# Altium PCB module_base.PcbDoc (part 3 of 4)
Units mil, origin at the board's own origin, x right, y up, seen from the top; angles counter-clockwise.
Board outline 3464.57 x 2795.28 mil, 4 copper layers (Top Layer, L2_GND, L3_PWR, Bottom Layer), stack 61.811 mil thick; 147 components, 144 nets, 753 pads, 600 vias.
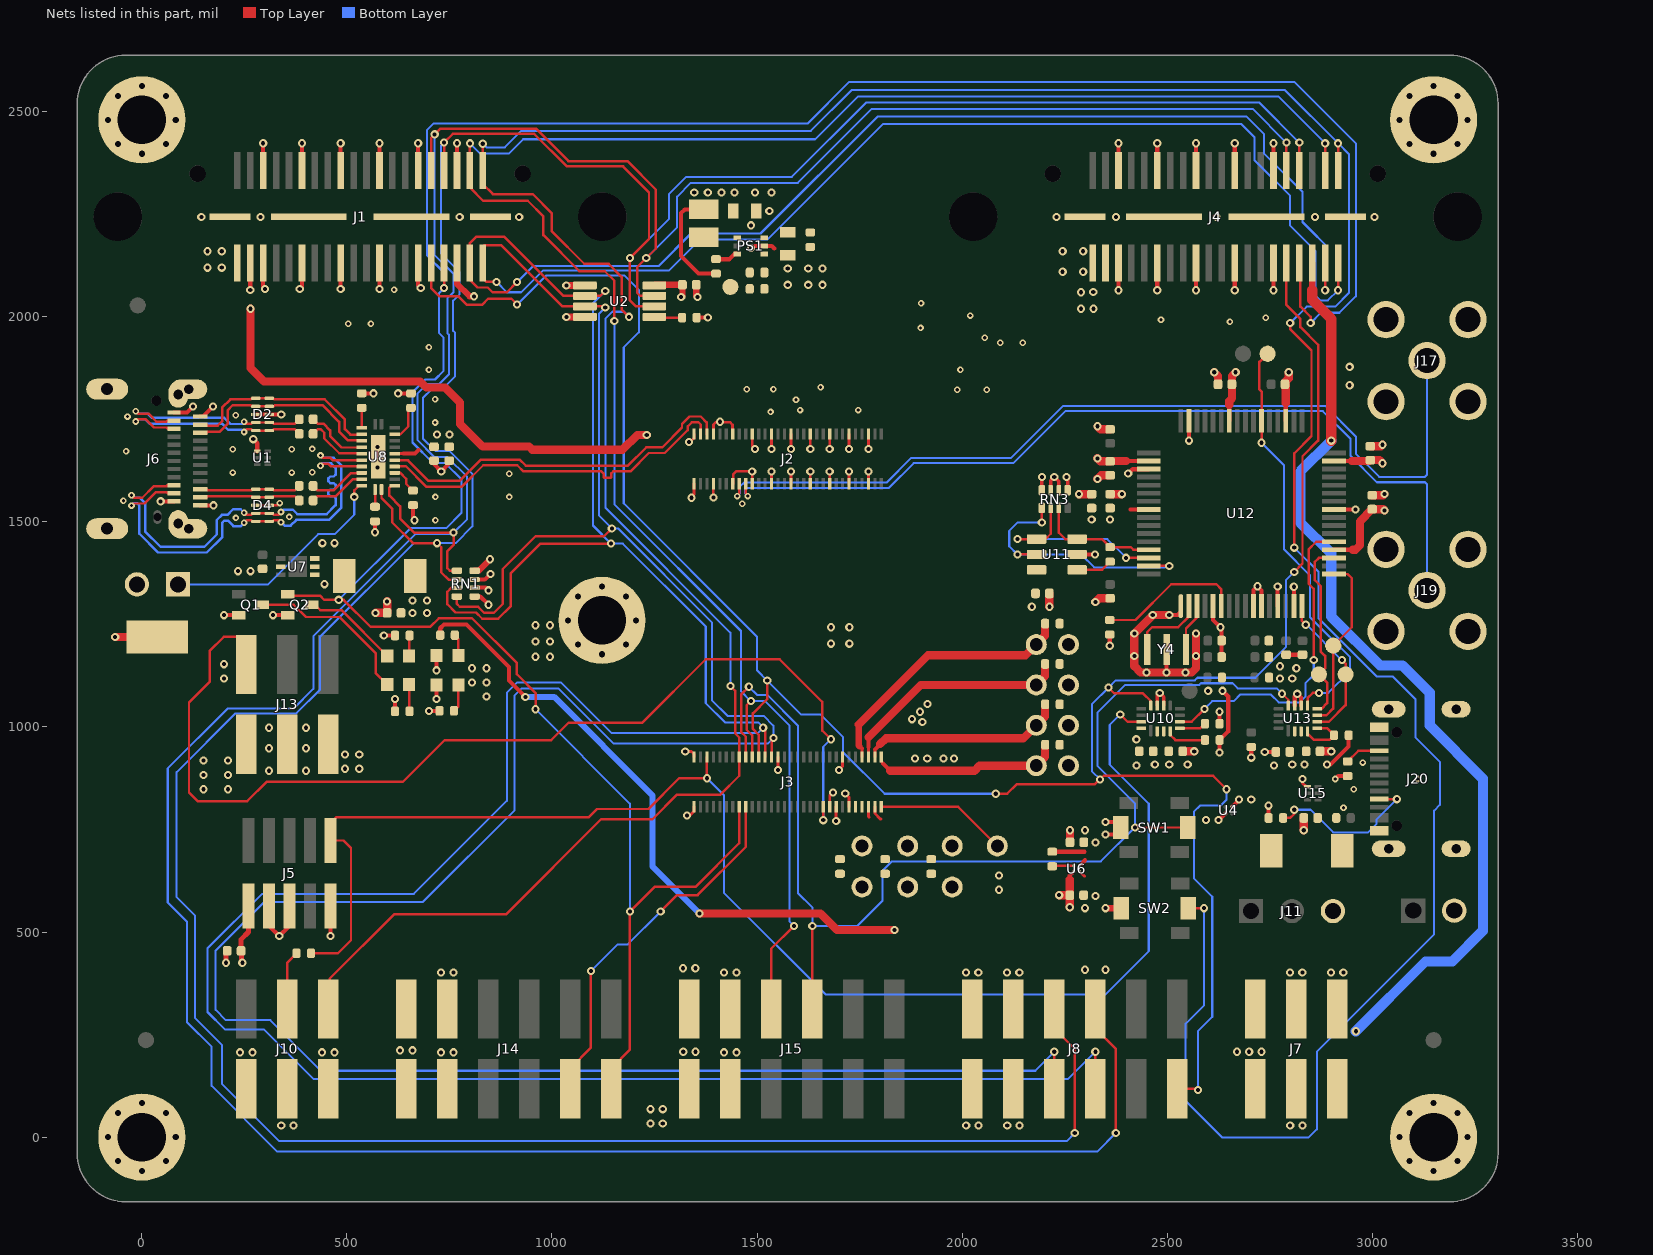
[diagram p5: the nets of this part, all layers, seen from the top]

## Via types
v1: diameter 20, hole 10, Top Layer to Bottom Layer, 431 vias
v2: diameter 16, hole 8, Top Layer to Bottom Layer, 129 vias
v3: diameter 30, hole 15, Top Layer to Bottom Layer, 40 vias

## Nets (pads, with @x,y where several pads share a name; then routed paths per layer and width w, separated by ;. In a path a pad name is that pad's centre, name@x,y a point inside that pad or via, vN(x,y) a via of type N, cw(c..) or ccw(c..) an arc to the next point about the centre after c; other vN are vias at no path point) (continued)
GND: BH1.1 BH2.1 BH3.1 BH4.1 BH5.1 C1.1 C2.1 C3.1 C4.1 C5.1 C6.1 C7.1 C9.1 C10.1 C11.1 C12.1 C13.1 C15.1 C17.1 C47.1 C48.1 C49.1 C50.1 C51.1 C52.1 C53.1 C54.1 C55.1 C56.1 C57.1 C64.1 C71.1 C83.1 C139.1 C143.1 C144.1 D1.2 D2.3 D2.8 D3.2 D4.3 D4.8 J1.05 J1.06 J1.11 J1.12 J1.17 J1.18 J1.23 J1.24 J1.29 J1.30 J1.36 J1.G1 J1.G2 J1.G3 J1.G4 J2.1 J2.2 J2.7 J2.8 J2.13 J2.14 J2.19 J2.20 J2.25 J2.26 J2.31 J2.32 J2.37 J2.38 J2.43 J2.44 J2.49 J2.50 J2.55 J2.56 J3.1 J3.2 J3.27 J3.44 J3.47 J3.50 J4.05 J4.06 J4.11 J4.12 J4.17 J4.18 J4.23 J4.24 J4.29 J4.30 J4.G1 J4.G2 J4.G3 J4.G4 J5.3 J5.5 J5.9 J6.A1 J6.A12 J6.B1 J6.B12 J6.Shell J8.9 J8.10 J10.2 J10.6 J12.2 J14.9 J14.10 J15.9 J15.10 J16.2 J17.2 J17.3 J17.4 J17.5 J19.2 J19.3 J19.4 J19.5 J20.1 J20.2 J20.3 J20.4 J20.A1-B12 J20.B1-A12 PS1.2 Q1.2 Q2.2 R11.1 R14.2 R20.1 R21.1 R25.2 R27.1 R87.1 SW1.2 SW2.2 TP1.1 U1.1 U2.4 U4.B1 U6.B2 U7.2 U7.6 U8.25 U10.10 U10.11 U10.16 U11.2 U12.1 U12.5 U12.10 U12.11 U12.13 U12.15 U12.25 U12.35 U12.47 U12.51 U13.10 U13.11 U15.1 Y4.2 | length 5689.1
  Top Layer w6: v1(1393.7,1559.3) J2.8@1393.7,1592.91
  Top Layer w6.3: v1(1334,1695) 1337.13,1695 1346.46,1704.33 J2.1@1346.46,1714.17 ; 1393.7,1737.3 1399.45,1743.05 1433.95,1743.05 1440.16,1736.84 1440.16,1714.96 J2.13@1440.94,1714.17 ; J2.14@1440.94,1592.91 1441.73,1593.7 1441.73,1615.73 1449.1,1623.1 v1(1488.19,1623.1)
  Top Layer w6.87: D4.8@277.85,1540.41 D4.3@310.73,1540.42 329.11,1540.41 334.54,1545.85 335.91,1545.85 v2(335.91,1545.95) ; v1(1325,940) 1340,940 1346.45,933.55 J3.1@1346.45,926.77 ; v1(1329,784.11) 1336,784.11 1346.45,794.55 J3.2@1346.45,805.51 ; v1(1340,1559) 1340,1561.14 1346,1567.14 1346,1592.46 J2.2@1346.46,1592.91 ; J2.7@1393.7,1714.17 1393.7,1737.3 ; J2.20@1488.19,1592.91 v1(1488.19,1623.1) ; J2.19@1488.19,1714.17 1488.19,1684.91 v1(1495,1678.1) ; J2.26@1535.43,1592.91 v1(1535.43,1623.1) ; v1(1535.43,1678.1) J2.25@1535.43,1714.17 ; v1(1551.18,894.83) J3.27@1551.18,926.77 ; J2.32@1582.68,1592.91 v1(1582.67,1623.1) ; v1(1582.67,1678.1) J2.31@1582.68,1714.17 ; J2.38@1629.92,1592.91 v1(1629.92,1623.1) ; v1(1629.92,1678.1) J2.37@1629.92,1714.17 ; J3.44@1677.17,805.51 1677.16,832.16 v1(1685,840) ; J2.44@1677.17,1592.91 v1(1677.16,1623.1) ; v1(1677.16,1678.1) J2.43@1677.17,1714.17 ; v1(1700,895) 1708.66,903.66 J3.47@1708.66,926.77 ; v1(1715,838.11) 1724.41,828.7 J3.50@1724.41,805.51 ; J2.50@1724.41,1592.91 v1(1724.41,1623.1) ; v1(1724.41,1678.1) J2.49@1724.41,1714.17 ; J2.56@1771.65,1592.91 v1(1771.65,1623.1) ; v1(1771.65,1678.1) J2.55@1771.65,1714.17
  Top Layer w7: 2267.26,642.76 U6.B2@2272.44,647.95
  Top Layer w7.66: v1(2830,873.11) 2830,863.11 2839.25,853.85 U15.1@2842.2,853.86
  Top Layer w8: U10.11@2476,1052.13 2476,1077 v1(2482,1083) 2491.75,1073.25 U10.10@2491.75,1052.13
  Top Layer w9: U4.B1@2658.1,804.83 2675,821.72 v1(2675,823.11)
  Top Layer w10: v1(45.87,1550.18) J6.B1@78.84,1550.18 ; J6.B12@78.84,1766.73 110.08,1766.73 v1(124.52,1781.16) ; J6.A12@141.83,1540.35 v1(174.8,1540.35) ; J6.A1@141.83,1756.89 149.38,1756.89 v1(173.66,1781.16) ; v1(200.59,1272.52) Q1.2@236.06,1272.52 ; v1(271.6,1701.71) 281.5,1691.81 U1.1@281.5,1672.25 ; D2.3@277.85,1762.02 D2.8@310.73,1762.03 v1(339.8,1762.02) ; J1.05@295.86,2131.3 295.87,2072.23 v1(300,2068.1) ; J1.06@295.86,2356.89 v1(295.87,2423.35) ; J5.3@310,563.11 310,515 v1(335,490) 360,515 J5.5@360,563.11 ; v1(320,1272.52) Q2.2@356.06,1272.52 ; v1(385,2068.1) 390.36,2073.47 J1.11@390.36,2131.29 ; J1.12@390.35,2356.89 v1@390.35,2423.33 ; v1(460,490) J5.9@460,563.11 ; v1(484.85,2068.1) J1.17@484.84,2131.3 ; J1.18@484.84,2356.89 v1(484.84,2423.35) ; R14.2@536.27,1813.48 v1(565,1813.48) ; v1(579.33,2068.1) J1.23@579.33,2131.3 ; J1.24@579.33,2356.89 v1(579.33,2423.35) ; R11.1@661.16,1540.72 661.16,1507.95 v1(665,1504.1) ; J1.29@673.82,2131.3 673.82,2076.18 v1(680,2070) ; J1.30@673.82,2356.89 v1(673.82,2423.35) ; C17.1@712.39,1649.28 712.39,1640.72 v1(730,1623.1) 749.39,1642.5 C7.1@749.39,1649.28 ; v1(718.71,1068.11) D1.2@718.71,1102.73 ; v1(718.71,1138.11) D3.2@718.71,1173.89 ; J1.36@768.3,2356.89 v1(768.31,2423.35) ; v1(1485,2168.1) 1494.99,2173.1 PS1.2@1517.99,2173.11 1535.99,2173.1 1541.99,2167.1 ; 2262.4,628.11 2262.4,637.91 2267.26,642.76 ; U11.2@2280.34,1420.63 v1(2324.01,1420.62) ; v1(2350,738.11) 2370.45,738.11 SW1.2@2387.18,754.84 2373.91,768.11 v1(2350,768.11) ; v1(2360,1198.11) R87.1@2360,1225.41 ; v1(2381.3,2064.83) J4.05@2381.3,2131.3 ; J4.06@2381.3,2356.89 v1(2381.31,2423.35) ; v1(2475.79,2064.83) J4.11@2475.79,2131.3 ; J4.12@2475.79,2356.89 v1(2475.8,2423.35) ; v1(2498.73,1133.11) Y4.2@2498.73,1189.04 ; v1(2505,1273.1) 2525,1273.1 2533.29,1281.39 U12.1@2533.29,1294.73 ; v1(2552.97,1698.1) U12.47@2552.98,1746.54 ; v1(2570.28,2064.83) J4.17@2570.28,2131.3 ; J4.18@2570.28,2356.89 v1(2570.28,2423.35) ; U12.5@2612.03,1294.73 2612.03,1261.08 v1@2629.94,1243.17 ; R25.2@2627.72,1008.11 v1(2627.71,1037.11) ; C53.1@2632.85,1170.63 2632.85,1240.25 v1(2630,1243.1) ; v1(2664.77,2064.83) J4.23@2664.77,2131.3 ; J4.24@2664.77,2356.89 v1(2664.77,2423.35) ; U12.10@2710.45,1294.72 2710.45,1333.56 v1(2720,1343.1) 2730.14,1332.97 U12.11@2730.14,1294.73 ; v1(2738,939.11) C10.1@2765.07,939.11 ; R20.1@2747.29,778.11 v1(2747.29,808.11) ; v1@2759.26,2064.85 J4.29@2759.26,2131.3 ; J4.30@2759.26,2356.89 v1(2759.26,2423.35) ; U12.13@2769.51,1294.73 v1(2769.51,1342.62) ; U12.35@2789.2,1746.54 2789.19,1789.83 ; C83.1@2790,1176.18 C64.1@2830,1176.18 ; U12.15@2808.88,1294.73 v1(2808.88,1341.98) ; U13.11@2811,1052.13 2811,1074.53 v1(2817.3,1080.83) 2826.75,1071.39 U13.10@2826.75,1052.13 ; U12.25@2906.83,1530.48 v1(2959.17,1530.47) ; v2(2910,873.11) 2917.29,880.4 R21.1@2940,880.4 ; v1@2629.94,1243.17 v1(2630,1243.1) ; v1@2629.94,1243.17 v1(2630,1243.1)
  Top Layer w10.81: v1(2405,1618.1) 2415.79,1628.89 U12.51@2455.02,1628.9
  Top Layer w12: v1(205,425) 205,450.93 C4.1@208.07,454
  Top Layer w15: C1.1@1351.93,2078.11 1351.93,2051.18 v1(1355,2048.1) ; v1(2350,558.11) SW2.2@2388.32,558.11
  Top Layer w17.9: v1(1035,1999.72) U2.4@1080.35,1999.72
  Top Layer w20: v1(-65,1219.08) TP1.1@38.09,1219.08 ; v1(2236.73,589.83) C6.1@2262.4,589.84 ; v1(2262.4,560.5) C6.1@2262.4,589.84 ; 2262.4,628.11 C6.1@2262.4,589.84 ; v1(2505,1273.1) v1(2465,1273.1) v1(2420,1228.1) v1(2420,1173.11) 2420,1148.11 2435,1133.11 v1(2450,1133.11) v1(2498.73,1133.11) v1(2545,1133.11) 2560,1133.11 2570,1143.11 v1(2570,1173.11) v1(2570,1228.1) ; C11.1@2537.74,940.63 v1(2566,940.63) ; v1(2614.8,1864.83) 2623.99,1855.64 C49.1@2623.99,1835.63 ; 2789.19,1789.83 2789.19,1833.66 C139.1@2787.23,1835.63 2787.23,1840.62 2796.42,1849.81 v1(2796.42,1864.83) ; C9.1@2872.74,940.63 v1(2900,940.63) ; C48.1@2995.41,1684.5 3021.39,1684.5 v1(3025,1688.1)
  Top Layer w20.26: v1(570,1278.1) C15.1@598.07,1278.11 v1(598.06,1306.17) ; v1(2212.85,1293.1) C57.1@2212.85,1325.63 ; C5.1@2263.05,718.89 v1(2263.05,748.11) ; v1(2285,1567.56) C52.1@2315.92,1567.56 ; v1(2324.8,1304.83) 2333.66,1313.7 C144.1@2360.92,1313.7 ; v1(2329.8,1604.83) 2338.66,1613.7 C56.1@2360.92,1613.7 ; v1(2330,1733.1) 2337.48,1725.62 C143.1@2360.92,1725.63 ; C50.1@2360.92,1567.56 v1(2389.45,1567.56) ; v1(2833.06,748.11) C71.1@2833.07,778.11 ; C47.1@2999.99,1565.04 3026.93,1565.04 v1(3030,1568.1)
  other v1: 2110,28.1 2140,28.1 239.6,206.61 269.6,206.61 439.6,206.61 469.6,206.61 729.6,206.61 759.6,206.61 1419.6,206.61 1449.6,206.61 729.6,401.56 759.6,401.56 1419.6,401.56 1449.6,401.56 2109.6,401.56 2139.6,401.56 2705,823.11 2424.8,969.83 2775,1148.11 234.8,1379.83 264.8,1379.83 440,1448.1 470,1448.1 575,1633.1 575,1683.1 1409.45,1744.1 2759.25,2064.83 1574.99,2078.1 1574.99,2118.1 1485,2223.1 145,2243.1 289,2243.1 775,2243.1 920,2243.1 2230.44,2243.1 2375.44,2243.1 2620.44,2243.1 2860.44,2243.1 3005.44,2243.1 1529.99,2258.1 1494.99,2303.1 1534.99,2303.1 390.36,2423.35
  other v2: 2930,803.11 2955,848.11 3111,873.11 2977,913.11 715.89,1504.27 229.48,1509.62 359.1,1512.16 1464.13,1543.97 -44.96,1551.89 715.89,1560.89 895.73,1560.89 895.73,1617.5 221.63,1620.31 365.7,1620.31 415.58,1621.2 -38.52,1672.58 221.63,1676.93 365.7,1676.93 415.58,1677.83 715,1742.29 -34.96,1756.89 229.24,1760 1533,1768.1 1605,1772.6 1746.73,1772.6 1595,1798.1 715,1798.91 1988,1822 2060,1822 1475,1823.1 1540,1823.1 1655,1828.1 700,1871.1 1996,1871 700,1926.1 2093,1937.1 2148,1937.1 2055.38,1949.1 1898.8,1973.01 503.58,1983.1 558.58,1983.1 2653,1988.1 2485,1993.1 2740.5,1998.1 2020,2003.1 1900,2033.1 615,2066.1
  other v3: 0,-82.68 3149.61,-82.68 -58.46,-58.46 58.46,-58.46 3091.14,-58.46 3208.07,-58.46 -82.68,0 82.68,0 3066.93,0 3232.28,0 -58.46,58.46 58.46,58.46 3091.14,58.46 3208.07,58.46 0,82.68 3149.61,82.68 1122.04,1177.17 1063.58,1201.38 1180.5,1201.38 1039.36,1259.84 1204.72,1259.84 1063.58,1318.31 1180.5,1318.31 1122.04,1342.52 0,2397.64 3149.61,2397.64 -58.46,2421.85 58.46,2421.85 3091.14,2421.85 3208.07,2421.85 -82.68,2480.31 82.68,2480.31 3066.93,2480.31 3232.28,2480.31 -58.46,2538.78 58.46,2538.78 3091.14,2538.78 3208.07,2538.78 0,2562.99 3149.61,2562.99
GPIO1V8_A3: J1.33 J3.16 J4.33 J14.2 Q2.1 | length 6804.5
  Top Layer w6: Q2.1@356.06,1323.7 359.65,1320.1 434.59,1320.1 444.71,1310 v1(480,1310) 492,1310 558,1244 703,1244 724.1,1265.1 804.9,1265.1 914.4,1155.61 914.4,1128.44 960,1082.84 v1(960,1043.11) ; v1(736.8,2070) J1.33@736.81,2131.3 ; J14.2@1144.8,117.36 1144.8,167.91 1190,213.11 v1(1190,550) 1250,610 1349.99,610 1456.69,716.69 J3.16@1456.69,805.51 ; J4.33@2822.25,2131.3 2825,2128.54 2825,2025 2850,2000 v1(2850,1985)
  Bottom Layer w5: v1(480,1310) 655,1485 741.89,1485 779.5,1522.61 779.5,1603.61 740,1643.11 710.49,1643.11 660,1693.6 660,1816.2 691.1,1847.3 714.9,1847.3 735.1,1867.5 735.1,1950 724.85,1960.25 724.85,2058.06 v1(736.8,2070) 736.8,2108.2 695,2150 695,2455 711,2471 1623,2471 1725,2573 2810,2573 2960,2423 2960,2050 2920,2010 2875,2010 v1(2850,1985) ; v1(960,1043.11) 1190,813.11 v1(1190,550)
GPIO1V8_H8: J3.42 J13.2 | length 2602.6
  Top Layer w6: J13.2@254.8,1152.32 254.8,1200.2 235,1220 200,1220 165,1185 165,1110 115,1060 115,840 136,819 257,819 303.89,865.89 636.21,865.89 737.92,967.6 998,967.6 1040.9,1010.5 1220.5,1010.5 1375,1165 1555,1165 1659,1061 1659,991 v1(1680,970) ; v1(1661.41,772.77) J3.42@1661.42,805.51
  Bottom Layer w5: v1(1661.41,772.77) 1661.41,951.41 v1(1680,970)
GPIO_A1_INITN: J1.40 J3.15 J4.40 J10.1 SW2.1 | length 9268.6
  Top Layer w6: J10.1@454.8,312.32 457.89,315.42 457.89,386.01 615,543.11 888.11,543.11 1120,775 1245,775 1305,835 1410.57,835 1456.69,881.12 J3.15@1456.69,926.77 1456.69,974.31 1447,984 1447,1088 v1(1435,1100) ; v1(831.3,2422.1) J1.40@831.3,2356.89 831.29,2323.71 855.9,2299.1 953,2299.1 1000,2252.1 1000,2208.1 1078.7,2129.41 1137.88,2129.41 1170,2097.29 1170,2018.1 v1(1188.1,2000) ; SW2.1@2551.7,558.11 v1(2590,558.11) ; v1(2800,1985) 2800,1970 2852,1918 2852,1709.1 2810,1667.1 v1(2810,1437.1) ; J4.40@2916.74,2356.89 v1(2916.74,2423.1)
  Bottom Layer w5: v1(831.3,2422.1) 840.3,2413.11 885,2413.11 925.44,2453.56 1631.44,2453.56 1731.07,2553.18 2786.67,2553.18 v1(2916.74,2423.1) 2943.42,2396.43 2943.42,2058.42 2910,2025 2840,2025 v1(2800,1985) ; v1(1188.1,2000) 1175.7,2012.4 1147.4,2012.4 1130,1995 1130,1535 1435,1230 v1(1435,1100) ; v1(2590,558.11) 2590,321.31 2545,276.31 2545,87.91 2633.8,-0.89 2845,-0.89 2864,18.11 2864.99,18.11 ; v1(2810,1437.1) 2869,1378.11 2869,1265.11 3010.99,1123.11 3049.99,1123.11 3105,1068.11 3105,975 3165,915 3165,810 3151,796 3151,494.11 2865,208.11 2865,18.12
GPIO_B1: J3.17 J15.5 SW1.1 U13.12 | length 2951.5
  Top Layer w6: J3.17@1472.44,926.77 1472.44,976.56 1461,988 1461,1079.11 v1(1480,1098.11) ; J15.5@1634.8,312.32 v1(1634.8,515) ; v1@2421,754.83 v1(2422,754.83) SW1.1@2550.57,754.84 ; v1(2780.39,1081.06) 2795.25,1066.21 U13.12@2795.25,1052.13
  Bottom Layer w5: v1(1480,1098.11) 1500,1078.11 1525,1078.11 1600,1003.11 1600,595 1634.8,560.2 v1(1634.8,515) 1745,515 1806,576 1806,649.11 1829,672.11 2338.27,672.11 2421,754.84 v1(2422,754.83) 2422,813.15 2330,905.15 2330,1035 2397,1102 2577.66,1102 2582.27,1106.61 2659.5,1106.61 2672,1094.11 2767.35,1094.11 v1(2780.39,1081.06)
GPIO_F1: J1.38 J3.19 J4.38 J15.7 | length 4994.8
  Top Layer w6: v1(799.8,2423.1) J1.38@799.8,2356.89 799.8,2315.21 831.89,2283.1 941,2283.1 979,2245.1 979,2199.1 1067,2111.1 1128.76,2111.1 1152,2087.86 v1(1152,1990) ; v1(1485,1063.11) 1475,1053.11 1475,993 1488.19,979.81 J3.19@1488.19,926.77 ; J15.7@1534.8,312.32 1534.8,459.8 v1(1590,515) ; J4.38@2885.24,2356.89 v1(2885.24,2423.1)
  Bottom Layer w5: v1(799.8,2423.1) 824.8,2398.11 895,2398.11 929.88,2433 1641.88,2433 1746.55,2537.65 2770.7,2537.65 v1(2885.24,2423.1) ; v1(1152,1990) 1152,1543 1461,1234 1461,1087.11 v1(1485,1063.11) 1520,1063.11 1579.04,1004.07 1579.04,525.96 v1(1590,515)
GPIO_G1: J1.31 J3.21 J4.31 J8.2 U10.12 | length 5978.4
  Top Layer w6: J1.31@705.31,2131.3 705.31,2070.69 726.17,2049.83 772.17,2049.83 793,2029 829.31,2029 844.31,2044 901,2044 v1(915,2030) ; J3.21@1503.94,926.77 1503.93,981.07 1490,995 1490,1033.11 1525,1068.11 v1(1525,1113.11) ; v1(2082,837.11) 2109.74,837.11 2132.74,860.11 2322.79,860.11 2334.8,872.11 v1(2336.4,872.11) 2345.39,881.11 2612,881.11 v1(2645,848.11) ; v1(2357,1096) 2371,1082 2441,1082 2460.25,1062.75 U10.12@2460.25,1052.13 ; J8.2@2524.8,117.36 2572.64,117.36 v1(2575,115) ; J4.31@2790.75,2131.3 2790.75,2029.25 2825,1995 2825,1975 2868,1932 2868,1698.1 2830,1660.1 2830,1398.1 v1(2810,1378.1)
  Bottom Layer w5: v1(915,2030) 985.39,2100.39 1177.33,2100.39 1211.75,2065.97 1211.75,1962.19 1175,1925.44 1175,1545.11 1500,1220.12 1500,1138.11 v1(1525,1113.11) 1608.11,1030 1655,1030 1710,975 1710,940 1709.06,939.06 1811,837.11 v1(2082,837.11) ; v1(2336.4,872.11) 2317.29,891.22 2317.29,1056.29 v1(2357,1096) 2374.67,1113.67 2567.71,1113.67 2574.04,1120 2715,1120 2789.65,1194.65 2789.65,1357.75 v1(2810,1378.1) ; v1(2575,115) 2575,258.31 2610,293.31 2610,585.96 2565,630.96 2565,793.11 2580,808.11 2630,808.11 2645,823.11 v1(2645,848.11)
JTAG_EN: J3.5 J5.10 R28.1 U10.15 | length 3614.3
  Top Layer w6: R28.1@412.72,448.11 478.11,448.11 510,480 510,705 491.89,723.11 J5.10@460,723.11 460,765 475,780 1090,780 1110,800 1235,800 1310,875 v1(1377.95,875) J3.5@1377.95,926.77 ; v1(2385.55,1030.56) 2403.35,1012.75 U10.15@2436.63,1012.76
  Bottom Layer w5: v1(1377.95,875) 1420,832.95 1420,595 1666.89,348.11 2350,348.11 2455.1,453.21 2455.1,812.96 2360,908.06 2360,1005 v1(2385.55,1030.56)
JTAG_EN_3V3: U10.6 U12.21 | length 789.3
  Top Layer w6: U10.6@2531.12,1012.76 2559.65,1012.75 v1(2591,1044.11) ; v1(2857.5,1163.11) 2857.5,1336.6 2845,1349.1 2845,1433.1 2863.62,1451.73 U12.21@2906.83,1451.73
  Bottom Layer w5: v1(2591,1044.11) 2610,1063.11 2662,1063.11 2678,1079.11 2753,1079.11 2772,1060.11 2823,1060.11 2837,1074.11 2837,1106.11 2857.5,1126.61 v1(2857.5,1163.11)
NetC2_2: C2.2 PS1.3 R23.1
NetC71_2: C71.2 D7.A FB4.2
NetD1_1: D1.1 R1.2 | length 68
  Top Layer w6: R1.2@761.03,1039.22 771.86,1050.04 D1.1@771.86,1102.73
NetD3_1: D3.1 R3.2 | length 53.7
  Top Layer w6: R3.2@762.99,1223.89 771.86,1215.02 D3.1@771.86,1173.89
NetD5_1: D5.1 R18.2 | length 65.5
  Top Layer w6: D5.1@651.57,1103.11 651.57,1039.25 R18.2@652.72,1038.11
NetD5_2: D5.2 Q1.3 | length 413.7
  Top Layer w6: Q1.3@293.93,1298.11 370,1298.1 400,1268.1 481.9,1268.1 570,1180.01 570,1131.53 D5.2@598.43,1103.11
NetD6_1: D6.1 R2.2 | length 50.5
  Top Layer w6: D6.1@651.58,1173.11 651.58,1221.97 R2.2@652.72,1223.11
NetD6_2: D6.2 Q2.3 | length 236.3
  Top Layer w6: Q2.3@413.93,1298.11 421.89,1298.11 435,1285 486.53,1285 D6.2@598.43,1173.11
NetJ3_52: J3.52 J3.54 R5.2 T7.1
NetJ3_53: J3.53 R4.1 T6.1 | length 656.1
  Top Layer w6.87: J3.53@1755.91,926.77 1755.9,947.21
  Top Layer w10: 1750,953.11 1755.9,947.21
  Top Layer w15: 1748.02,1005.89 1748.02,955.08 1750,953.11
  Top Layer w20: 1748.02,1005.89 1916.97,1174.83 2154.83,1174.83 T6.1@2180.85,1200.86 2202.5,1222.5 R4.1@2202.5,1252.04
NetJ3_55: J3.55 R6.1 T10.1 | length 570.3
  Top Layer w6.87: J3.55@1771.65,926.77 1771.65,951.46
  Top Layer w10: 1771.65,951.46 1771.65,974.92
  Top Layer w20: 1771.65,974.92 1899.18,1102.45 T10.1@2180.85,1102.45 2202.5,1124.1 R6.1@2202.5,1153.63
NetJ3_56: J3.56 R7.2 T11.1 | length 26.4
  Top Layer w6.87: J3.56@1771.65,805.51 1771.65,781.46 1773.33,779.77
NetJ3_57: J3.57 R8.1 T14.1 | length 496.6
  Top Layer w6.87: J3.57@1787.4,926.77 1787.4,945.5
  Top Layer w9.84: 1787.4,945.5 1800,958.11
  Top Layer w20: 1800,958.11 1814.16,972.26 2149.1,972.26 T14.1@2180.85,1004.02 2202.5,1025.67 R8.1@2202.5,1055.21
NetJ3_58: J3.58 R9.2 T15.1 | length 37
  Top Layer w6.87: J3.58@1787.4,805.51 1787.4,788.75 1800.33,775.83 1802.27,775.83
NetJ3_59: J3.59 R10.1 T18.1 | length 463.9
  Top Layer w6.87: J3.59@1803.15,926.77 1803.15,914.96 1807.5,910.61
  Top Layer w10: 1807.5,910.61 1825,893.11
  Top Layer w20: 1825,893.11 2030,893.11 2042.49,905.6 T18.1@2180.85,905.6 2202.5,927.24 R10.1@2202.5,956.78
NetJ3_60: J3.60 PVDD_4.1 | length 322.3
  Top Layer w6: J3.60@1803.15,805.51 1990.16,805.5 PVDD_4.1@2085.83,709.84
NetJ10_3: J10.3 R28.2 | length 145.1
  Top Layer w6: J10.3@354.8,312.32 354.8,425.63 R28.2@377.28,448.11
NetJ12_1: J12.1 U8.22 | length 582.2
  Top Layer w6: v1(517.85,1561.1) 517.85,1576.83 528.81,1587.79 U8.22@536.27,1587.8
  Bottom Layer w5: J12.1@88.09,1347.73 307.73,1347.73 430,1470 470,1470 517.85,1517.85 v1(517.85,1561.1)
NetJ20_A5: J20.A5 R20.2 | length 396.5
  Top Layer w6: R20.2@2782.72,778.11 2800,778.11 2810,788.11 v1(2810,798.11) ; J20.A5@3017.53,823.9 v1(3060,823.9)
  Bottom Layer w5: v1(2810,798.11) 2850,798.11 2905,743.11 2990,743.11 3010,763.11 3010,773.9 v1(3060,823.9)
NetJ20_B5: J20.B5 R21.2 | length 88.4
  Top Layer w6: R21.2@2940,915.83 2966.18,942 J20.B5@3017.53,942.01
NetL1_1: L1.1 PS1.4
NetPS1_1: PS1.1 R26.1 R27.2
NetPS1_6: PS1.6 R15.2 | length 57.3
  Top Layer w10.81: R15.2@1400,2140.82 1432.71,2140.81 1445.32,2153.43 PS1.6@1452.01,2153.43
NetR11_2: R11.2 U8.3 | length 69.7
  Top Layer w6: U8.3@616.58,1619.29 630.35,1619.29 644.8,1604.83 644.8,1592.5 R11.2@661.16,1576.15
NetR12_1: R12.1 U8.23 | length 42.3
  Top Layer w6: R12.1@568.55,1536.87 U8.23@568.55,1579.13
NetR13_2: R13.2 U8.9 | length 88.9
  Top Layer w6: U8.9@616.59,1713.78 630.67,1713.77 650,1733.1 650,1771.89 R13.2@656.16,1778.05
NetR14_1: R14.1 U8.13 | length 48.5
  Top Layer w6: U8.13@536.27,1729.53 R14.1@536.27,1778.06
NetR16_2: R16.2 U2.5 | length 68.3
  Top Layer w6: U2.5@1249.65,1999.72 1251.26,1998.1 R16.2@1317.28,1998.11
NetR17_2: R17.2 U6.B1 | length 53
  Top Layer w6: R17.2@2220,660.39 2221.34,661.72 U6.B1@2272.44,661.73
NetR19_1: R19.1 U13.4 U13.5 | length 128.6
  Top Layer w6: U13.4@2842.5,989.14 2842.5,983.61 2857,969.11 2896.35,969.11 R19.1@2907.08,979.84 2889.91,997 U13.5@2866.12,997.01
NetR24_1: R24.1 U10.4 | length 98.5
  Top Layer w6: U10.4@2507.5,989.14 2507.5,980.61 2520,968.1 R24.1@2592.28,968.11
NetR25_1: R25.1 U10.5 | length 65.8
  Top Layer w6: U10.5@2531.12,997.01 2581.19,997 R25.1@2592.28,1008.11
NetR49_1: R49.1 RN3.3 U11.3 U12.61 | length 296.7
  Top Layer w6: RN3.3@2235.77,1533.98 2235.76,1473.87 2251.61,1458.02 U11.3@2280.34,1458.03 2341.24,1458.02 R49.1@2360.92,1438.35 2411.29,1438.35 2417.59,1432.04 U12.61@2455.02,1432.05
NetR49_2: R49.2 U11.1 | length 88.7
  Top Layer w6: U11.1@2280.34,1383.23 2341.23,1383.23 R49.2@2360.92,1402.92
NetR87_2: R87.2 U12.6 | length 354.4
  Top Layer w6: R87.2@2360,1260.84 2422.73,1260.83 2510,1348.1 2620,1348.1 2631.71,1336.39 U12.6@2631.72,1294.73
NetRN3_1: RN3.1 U11.5 U12.63 | length 670
  Top Layer w6: v1(2135,1420.62) U11.5@2181.52,1420.63 ; v1(2194.42,1498.68) RN3.1@2194.43,1533.98 ; U12.63@2455.02,1392.68 v1(2505,1392.68)
  Bottom Layer w5: v1@2194.42,1498.69 2135.58,1498.69 2115,1478.11 2115,1440.63 v1(2135,1420.62) 2290.38,1420.62 2321.8,1389.2 2494.16,1389.2 2497.64,1392.68 v1(2505,1392.68)
NetRN3_2: RN3.2 U11.4 U12.62 | length 488.2
  Top Layer w6: v1(2135.08,1458.02) U11.4@2181.52,1458.03 2202.99,1458.02 2216.08,1471.12 RN3.2@2216.08,1533.98 ; v1(2399.8,1412.35) U12.62@2455.02,1412.36
  Bottom Layer w5: v1(2135.08,1458.02) 2354.13,1458.03 v1(2399.8,1412.35)
NetT1_1: T1.1 U12.16 U13.6 | length 372.5
  Top Layer w6: U12.16@2828.57,1294.73 2828.56,1258.54 v1(2838,1249.1) ; U13.6@2866.12,1012.76 2894.65,1012.75 2935,1053.11 T1.1@2935,1128.11 2935,1154.11 v1(2926,1163.11)
  Bottom Layer w5: v1(2838,1249.1) 2840,1249.11 v1(2926,1163.11)
NetT2_1: T2.1 U12.17 U13.7 | length 429.7
  Top Layer w6: U13.7@2866.12,1028.51 2888.46,1028.49 2904.8,1044.83 2904.8,1148.11 2905,1148.3 T2.1@2905,1198.11 2950,1243.1 2950,1363.1 2940.12,1372.98 U12.17@2906.83,1372.98
NetT4_1: T4.1 U12.19 U13.8 | length 449.7
  Top Layer w6: U13.8@2866.12,1044.25 2876.14,1044.24 2890,1058.1 2890,1108.11 T4.1@2870,1128.11 2885,1143.11 2885,1173.11 2875,1183.11 2875,1343.1 2860,1358.1 2860,1402.35 2870,1412.35 U12.19@2906.83,1412.36
NetT85_1: T85.1 U12.38 U13.9 | length 1022.8
  Top Layer w6: v1(2730.14,1693.1) U12.38@2730.14,1746.54 2730.14,1817.97 2725,1823.1 2725,1890 T85.1@2745,1910 ; U13.9@2842.5,1052.13 2842.5,1070.6 2855,1083.1 v1(2870,1083.11)
  Bottom Layer w5: v1(2730.14,1693.1) 2785,1638.25 2785,1433.11 2848,1370.11 2848,1268.11 2946,1170.11 2946,1136.11 2893,1083.11 v1(2870,1083.11)
NetU12_2: U12.2 Y4.1 | length 185
  Top Layer w6: Y4.1@2451.48,1189.04 2451.48,1231.52 2463.07,1243.1 2526.66,1243.1 2552.97,1269.41 U12.2@2552.98,1294.73
NetU12_3: U12.3 Y4.3 | length 116.7
  Top Layer w6: Y4.3@2545.97,1189.04 2545.97,1240.04 2572.66,1266.73 U12.3@2572.66,1294.73
P1V2D: C6.2 J7.1 J13.1 U6.A2 | length 16.9
  Top Layer w7: U6.A2@2286.22,647.95 2298.17,636
  other v1: 2899.6,401.56 2929.6,401.56 2300,558.11 2325,588.11 150,848.11 210,848.11 150,883.11 210,883.11 150,918.11 210,918.11
P1V8_AON: J15.12 R4.2 T5.1
  other v1: 1320,208.11 1350,208.11 1319.6,411.56 1349.6,411.56 1885,923.11 1915,923.11
P1V8D: J1.35 J4.35 J7.5 J7.6 J13.5 J14.11 J14.12 R6.2 T9.1 | length 2410.9
  Top Layer w15.14: J1.35@768.3,2131.3 768.3,2080.7 799,2050 v1(810,2050) ; 2853.74,2064.83 J4.35@2853.74,2131.3
  Top Layer w25: 2853.74,2064.83 2853.74,2041.27 2900,1995 v1(2900,1698.1)
  Bottom Layer w25: v1(2900,1698.1) 2825,1623.11 2825,1498.11 2900,1423.11 2900,1269.11 3019,1150.11 3073,1150.11 3140,1083.11 3140,1004.11 3270,874.11 3270,503.11 3195,428.11 3130,428.11 v1(2960,258.11)
  other v1: 2670,208.11 2700,208.11 2730,208.11 629.6,211.56 659.6,211.56 495,898.11 530,898.11 1955,923.11 1980,923.11 495,933.11 530,933.11
P3V3_SOM: J7.2 R3.1 R7.1 T12.1 | length 1557.7
  Top Layer w10: R3.1@727.56,1223.89 727.56,1240.66 737,1250.1 791.35,1250.1 895,1146.46 895,1113.11 v1(935,1073.11)
  Top Layer w20: v1(1359.99,545.01) 1654.99,545.01 1695,505 v1(1835,505)
  Bottom Layer w15: v1(935,1073.11) 1005,1073.11 1245,833.11 1245,660 v1(1359.99,545.01)
  other v1: 2300,408.11 2350,408.11
P3V3D: C1.2 C3.2 C5.2 C7.2 C9.2 C11.2 C17.2 C47.2 C48.2 C49.2 C50.2 C52.2 C56.2 C57.2 FB9.2 FB15.2 J1.01 J4.01 J8.11 L1.2 R2.1 R13.1 R15.1 R17.1 R18.1 R19.2 R22.2 R24.2 R26.2 RN1.3 RN1.4 RN3.5 RN3.6 RN3.7 RN3.8 T19.1 U2.8 U6.A1 U8.6 U10.3 U11.6 U12.20 U12.31 U12.42 U12.50 U12.56 U13.3 | length 1756.8
  Top Layer w7: U6.A1@2286.22,661.73 2290.83,666.33
  Top Layer w7.87: RN3.8@2194.43,1577.29 2194.42,1609.45 v1(2194.8,1609.83) ; RN3.7@2216.08,1577.29 2216.08,1601.12 v1(2224.8,1609.83) 2235.76,1598.87 RN3.6@2235.77,1577.29 ; v1(2254.8,1609.83) 2257.42,1607.22 RN3.5@2257.42,1577.29
  Top Layer w8: U8.6@616.59,1666.54 638,1666.52
  Top Layer w10: v1(590,1223.1) R2.1@617.29,1223.11 ; R18.1@617.29,1038.11 v1(617.29,1068.11) ; v1(625,1813.48) R13.1@656.16,1813.48 ; 638,1666.52 666.49,1666.52 674.8,1674.83 ; RN1.3@811.28,1359.31 836.19,1359.29 v1(850,1373.1) ; L1.2@1369.99,2261.96 1323.85,2261.96 1315,2253.1 1315,2148.1 1357.72,2105.39 R15.1@1400,2105.39 ; R17.1@2220,695.82 2298.29,695.81 ; 2290.83,666.33 2299.5,675 ; 2400,1648.58 U12.50@2455.02,1648.59 ; 2410.43,1530.47 U12.56@2455.02,1530.48 ; v1(2627.71,937.82) R24.2@2627.72,968.11 2648.72,989.11 2649,989.11 2649,1074.11 v1(2635,1088.11) ; U12.42@2651.4,1746.54 2651.4,1784.83 ; v1(2705,925.11) R22.2@2705,951.39 ; v1(2890,908.11) 2898,908.11 2942.51,952.62 R19.2@2942.51,979.84 ; U12.20@2906.83,1432.05 2952.59,1432.04 ; U12.31@2906.83,1648.59 2950,1648.58
  Top Layer w15: RN1.4@811.28,1380.96 821.27,1380.95 v1(849.21,1408.89) ; U2.8@1249.65,2076.5 1251.26,2078.1 C1.2@1318.07,2078.11 1318.07,2051.18 v1(1315,2048.1)
  Top Layer w20: 2651.4,1784.83 2651.4,1794.83 2657.85,1801.29 C49.2@2657.85,1835.63 2657.85,1855.64 v1(2667.04,1864.83) ; 2950,1648.58 2993.35,1648.58 C48.2@2995.41,1650.64 3017.47,1650.64 v1(3025,1643.1) ; 2952.59,1432.04 2958.94,1432.04 2970,1443.1 2970,1501.18 C47.2@2999.99,1531.19
  Top Layer w20.26: v1(2329.8,1654.83) 2337.08,1647.56 C56.2@2360.92,1647.56 2361.94,1648.58 2400,1648.58 ; C47.2@2999.99,1531.19 3026.92,1531.18 v1(3030,1528.1)
  other v1: 2009.6,401.56 2039.6,401.56 2325,718.11 2300,748.11 2505,908.11 2550,908.11 2835,908.11 2600,1088.11 2775,1118.11 2805,1118.11 2815,1143.11 2170,1293.1 2315.92,1505.95 2360.92,1505.95 720,1713.1 750,1713.1 2945,1833.1 2945,1878.1 2245.24,2109.83 2295.24,2109.83 159.8,2119.83 194.8,2119.83 159.8,2159.83 194.8,2159.83 2245.24,2159.83 2295.24,2159.83 1347,2303.1 1379.99,2303.1 1413,2303.1 1444.99,2303.1
P5V: C15.2 D7.C D8.C J1.03 J4.03 J11.3 R1.1 R5.1 R23.2 T8.1 U4.A2 | length 1353.6
  Top Layer w9: U4.A2@2639.75,786.47 U4.A2@2642.35,789.08
  Top Layer w10: v1(264.37,2065.27) J1.03@264.37,2131.3 ; v1(700.42,1039.22) R1.1@725.6,1039.22 ; v1(2625,773.11) 2629.07,775.79 U4.A2@2639.75,786.47
  Top Layer w20: v1(264.8,2019.83) 264.8,1875.2 297.71,1842.29 678.71,1842.29 693.5,1827.5 739.5,1827.5 776,1791 776,1739 831,1684 944,1684 952,1676 1172,1676 1208,1712 v1(1231,1712)
  other v1: 2595,773.11 1903,1012 1878,1019 1897,1037 1916,1056 960,1171.11 995,1171.11 1680,1203.1 1725,1203.1 960,1208.11 995,1208.11 1680,1243.1 1725,1243.1 960,1248.11 995,1248.11 660,1278.1 695,1278.1 660,1308.1 695,1308.1 2290.24,2019.83 2320.24,2019.83 2290.24,2059.83 2319.81,2060.27 1624.99,2078.1 1659.99,2078.1 1624.99,2118.1 1659.99,2118.1
PROGN: J3.18 J14.4 | length 909.1
  Top Layer w6: J14.4@1044.8,117.36 1044.8,167.91 1095,218.11 v1(1095,404.83) ; v1(1265,550) 1305,590 1355,590 1472.44,707.44 J3.18@1472.44,805.51
  Bottom Layer w5: v1(1095,404.83) 1160.17,470 1185,470 v1(1265,550)
PVDD_1: C4.2 C10.2 C12.2 J5.1 J7.4 J8.12 J10.4 J15.11 R8.2 R16.1 RN1.1 RN1.2 T13.1 U2.1 U10.2 U13.2 | length 297.9
  Top Layer w10: RN1.1@811.28,1317.97 825.15,1317.95 v1(845,1298.1) ; RN1.2@811.28,1339.62 838.49,1339.62 v1(845,1333.1) ; R16.1@1352.71,1998.11 v1(1380,1998.1)
  Top Layer w12: v1(245,425) 243.47,426.54 243.47,452.46 C4.2@241.93,454 241.93,481.93 260,500 J5.1@260,563.11
  Top Layer w17.9: v1(1035,2076.5) U2.1@1080.35,2076.5
  other v1: 340,28.1 370,28.1 2010,28.1 2040,28.1 2800,28.1 2830,28.1 1240,33.1 1270,33.1 1240,68.1 1270,68.1 2425.2,906.11 2760.2,906.11 2470,908.11 2805,908.11
PVDD_2: J7.3 R9.1 T16.1
  other v1: 2799.6,401.56 2829.6,401.56 2090,603.11 2090,638.11
PVDD_3: J13.3 R10.2 T17.1
  other v1: 310,893.11 400,893.11 310,948.11 400,948.11 310,998.11 400,998.11 840,1074.11 805,1108.11 840,1108.11 805,1143.11 840,1143.11
PVUSBC: D8.A J3.46 R12.2 U7.4 U7.5 | length 61.1
  Top Layer w6.87: v1(1692.91,771.01) J3.46@1692.91,805.51
  Top Layer w10: v1(568.55,1474.83) R12.2@568.55,1501.44
  other v1: 200,1118.11 200,1153.11 445,1348.1
REFCLK_N: J2.18 J19.1 | length 2149.9
  Top Layer w5: J2.18@1472.44,1592.91 1472.44,1569.17 1477.57,1564.03 v2(1477.57,1562.98)
  Bottom Layer w5: v2(1477.57,1562.98) 1471.07,1569.48 1471.07,1580 1474.07,1583 1821.7,1583 1881.81,1643.11 2125,1643.11 2252,1770.11 2879.61,1770.11 2947,1702.72 2947,1661.11 3011.5,1596.61 3128.66,1596.61 3133.66,1591.61 J19.1@3133.66,1333.11
REFCLK_P: J2.16 J17.1 | length 2191.5
  Top Layer w5: v2(1451.57,1562.98) 1451.57,1564.06 1456.69,1569.18 J2.16@1456.69,1592.91
  Bottom Layer w5: v2(1451.57,1562.98) 1458.07,1569.48 1458.07,1585.38 1468.69,1596 1816.31,1596 1876.43,1656.11 2119.61,1656.11 2246.61,1783.11 2885,1783.11 2960,1708.11 2960,1666.49 3016.88,1609.61 3128.66,1609.61 3133.66,1614.61 J17.1@3133.66,1893.11
RX1_N: C19.1 U8.17 | length 155.6
  Top Layer w6: C19.1@417.53,1714.73 428.29,1725.5 436.78,1725.5 444.86,1717.42 444.86,1703.74 481.2,1667.41 535.39,1667.41 U8.17@536.27,1666.54
RX1_P: C18.1 U8.16 | length 155.6
  Top Layer w6: C18.1@417.53,1750.27 428.29,1739.5 442.58,1739.5 458.86,1723.21 458.86,1709.54 486.99,1681.41 535.4,1681.41 U8.16@536.27,1682.28
RX2_N: C22.1 U8.20 | length 140.7
  Top Layer w6: C22.1@417.53,1587.72 428.29,1576.95 467.28,1576.95 508.75,1618.41 535.39,1618.41 U8.20@536.27,1619.29
RX2_P: C21.1 U8.21 | length 140.7
  Top Layer w6: C21.1@417.53,1552.18 428.29,1562.95 473.08,1562.95 514.55,1604.41 535.4,1604.41 U8.21@536.27,1603.54
SCL: J1.37 J3.23 J4.37 J8.6 RN1.7 U2.2 | length 9465.3
  Top Layer w6: RN1.7@767.97,1339.62 755,1339.62 745,1329.62 745,1299.11 765,1279.11 814.61,1279.11 830,1263.72 868.72,1263.72 900,1295 900,1375 972.1,1447.1 v1(1144,1447.1) ; v1(915,2085) 890,2060 855,2060 843.5,2071.5 818.5,2071.5 799.8,2090.2 J1.37@799.8,2131.3 799.8,2179.81 815,2195 884.1,2195 1028.2,2050.91 1080.35,2050.91 1117.8,2050.91 v1(1130,2063.1) ; v1(1515,998.11) 1519.68,993.43 J3.23@1519.68,926.77 ; J8.6@2324.8,117.36 v1(2324.8,208.11) ; v1(2885.24,2064.83) J4.37@2885.24,2131.3
  Bottom Layer w5: v1(915,2085) 954.07,2124.07 1259.96,2124.07 1339,2203.11 1508.5,2203.11 1793.67,2488.28 2693.93,2488.28 2735.9,2446.31 2735.9,2399.1 2830,2305 2830,2231.27 2849.54,2211.73 2885.24,2176.03 v1(2885.24,2064.83) ; v1(1130,2063.1) 1100,2033.11 1100,1491.11 v1(1144,1447.1) 1172.9,1447.11 1375,1244.98 1375,1058.11 1422,1011.11 1503,1011.11 1515,999.11 v1(1515,998.11) 1501.89,985 1145.64,985 1021.76,1108.87 915.76,1108.87 890,1083.11 890,820 663.11,593.11 293.11,593.11 160,460 160,305 202.45,262.56 297.57,262.56 418.18,141.94 2258.63,141.94 v1(2324.8,208.11)
SCL33: J1.32 J4.32 J8.5 RN1.5 U2.7 U8.1 | length 8806.9
  Top Layer w6: U8.1@616.59,1587.8 607.75,1587.79 603.51,1583.54 603.51,1564.12 629.8,1537.83 629.8,1507.83 663.76,1473.87 v1(760,1473.87) 760,1444 745,1429 745,1387 751.05,1380.95 RN1.5@767.97,1380.96 ; J1.32@705.31,2356.89 705.31,2436.31 v1(714,2445) 727.91,2458.91 960.93,2458.91 1040.22,2379.62 1183.69,2379.62 1253,2310.31 1253,2166.1 v1(1230,2143.1) 1208,2121.1 1208,2058.1 1215.2,2050.91 U2.7@1249.65,2050.91 ; J8.5@2324.8,312.32 2324.8,265.2 2374.8,215.2 v1(2374.8,10) ; J4.32@2790.75,2356.89 v1(2790.75,2424.83)
  Bottom Layer w5: v1(714,2445) 714,2442 713.31,2441.31 713.31,2151.69 760,2105 760,2060 744.95,2044.95 744.95,1960.06 749.2,1955.8 749.2,1860.5 724.5,1835.8 695.6,1835.8 671.8,1812 671.8,1699.91 713.6,1658.11 745,1658.11 793,1610.11 793,1506.87 v1(760,1473.87) 756.13,1470 666.6,1470 418.1,1221.5 418.1,1093.2 370,1045.1 209.13,1045.1 63.1,899.08 63.1,571.9 110,525 110,280 170,220 170,125 330.49,-35.48 2329.31,-35.48 v1(2374.8,10) ; v1(1230,2143.1) 1305,2218.11 1305,2293.11 1338.36,2326.47 1599.36,2326.47 1779.98,2507.09 2708.5,2507.09 v1(2790.75,2424.83)
SDA: J1.39 J3.25 J4.39 J8.8 RN1.8 U2.3 | length 9195.3
  Top Layer w6: RN1.8@767.97,1317.97 767.97,1300.14 775,1293.1 820,1293.1 835,1278.1 858.1,1278.1 880,1300 880,1385 960,1465 1126.9,1465 v1(1146,1484.1) ; v1(865,2085) 840,2085 831.29,2093.71 J1.39@831.3,2131.3 831.29,2171.29 835,2175 876.1,2175 1025.8,2025.31 1080.35,2025.31 1127.8,2025.31 v1(1130,2023.1) ; J3.25@1535.43,926.77 1535.43,968.53 v1(1540,973.11) ; J8.8@2224.8,117.36 v1(2224.8,208.11) ; v1(2916.74,2064.83) J4.39@2916.74,2131.3
  Bottom Layer w5: v1(865,2085) 890,2060 925,2060 977.65,2112.65 1284.54,2112.65 1360,2188.11 1525,2188.11 1807.37,2470.48 2680.16,2470.48 2713.06,2437.58 2713.06,2381.94 2800,2295 2800,2222.34 2861.51,2160.83 2861.51,2052.09 2873.6,2040 2891.9,2040 v1(2916.74,2064.83) ; v1(1130,2023.1) 1115,2008.11 1115,1515.11 v1(1146,1484.1) 1160.89,1484.11 1390,1255 1390,1065.11 1428,1027.11 1516,1027.11 1540,1003.11 v1(1540,973.11) 1526.89,960 1149.64,960 1016.26,1093.37 925.26,1093.37 909,1077.11 909,797.11 685,573.11 298.11,573.11 180,455 180,310 205,285 313.3,285 436.56,161.74 2178.43,161.74 v1(2224.8,208.11)
SDA33: J1.34 J4.34 J8.7 RN1.6 U2.6 U8.24 | length 8663.9
  Top Layer w6: U8.24@584.3,1579.13 584.3,1558.33 610,1532.64 610,1499.1 661,1448.1 v1(720,1448.1) 730,1438.1 730,1377 747.71,1359.29 RN1.6@767.97,1359.31 ; J1.34@736.81,2356.89 v1(736.81,2424.83) 758.08,2446.1 956.76,2446.1 1036.24,2366.62 1173.49,2366.62 1236.59,2303.52 1236.59,2189.7 v1(1190,2143.1) 1190,2040 1204.7,2025.31 U2.6@1249.65,2025.31 ; J8.7@2224.8,312.32 2224.8,265.2 2274.8,215.2 v1(2274.8,10) ; J4.34@2822.25,2356.89 v1(2822.25,2424.83)
  Bottom Layer w5: v1(736.81,2424.83) 729,2417.03 729,2155 775,2109 775,2055 759.2,2039.21 759.2,1965.9 764,1961.1 764,1855.3 733.5,1824.8 708,1824.8 685.3,1802.1 685.3,1703.41 715.6,1673.11 750,1673.11 806,1617.11 806,1489.11 765,1448.11 v1(720,1448.1) 662.5,1448.1 434.4,1220 434.4,1090.8 376.9,1033.3 228.3,1033.3 85,890 85,585 130,540 130,290 195,225 195,130 335,-10 2254.8,-10 v1(2274.8,10) ; v1(1190,2143.1) 1285,2238.11 1285,2299.11 1327,2341.11 1585,2341.11 1766.43,2522.54 2724.55,2522.54 v1(2822.25,2424.83)
SS_RX1_N: C19.2 D2.5 D2.6 J6.B10 | length 529.2
  Top Layer w6: v2(-15.2,1744.83) -10.15,1749.89 9.95,1749.89 29.64,1730.2 60.09,1730.2 62.93,1727.35 J6.B10@78.84,1727.36 ; v2(249.24,1719.18) 249.24,1719.5 255.24,1725.5 266.91,1725.5 269.75,1722.66 277.85,1722.66 D2.6@310.73,1722.66 318.91,1722.66 321.75,1725.5 372.91,1725.5 C19.2@383.67,1714.73
  Bottom Layer w6: v2(-15.2,1744.83) -9.7,1750.34 7.97,1750.34 18.63,1739.68 195.12,1739.68 210.11,1724.69 243.74,1724.69 v2@249.24,1719.19
SS_RX1_P: C18.2 D2.4 D2.7 J6.B11 | length 528.7
  Top Layer w6: v2(-15.2,1769.83) -9.25,1763.89 15.75,1763.89 35.44,1744.2 60.07,1744.2 62.91,1747.04 J6.B11@78.84,1747.05 ; v2(249.24,1744.18) 253.93,1739.5 266.83,1739.5 269.67,1742.33 277.85,1742.33 D2.7@310.73,1742.35 318.83,1742.33 321.67,1739.5 372.91,1739.5 C18.2@383.67,1750.27
  Bottom Layer w6: v2(-15.2,1769.83) -9.7,1764.34 13.77,1764.34 24.43,1753.68 200.92,1753.68 215.91,1738.69 243.74,1738.69 v2@249.24,1744.19
SS_RX2_N: C22.2 D4.5 D4.6 J6.A10 | length 250.1
  Top Layer w6: J6.A10@141.83,1579.72 157.74,1579.72 160.58,1576.87 238.38,1576.87 238.45,1576.95 266.91,1576.95 269.75,1579.79 277.85,1579.79 D4.5@310.73,1579.79 310.73,1579.89 318.83,1579.89 321.67,1577.04 372.91,1577.04 383.67,1587.81 C22.2@383.67,1587.72
SS_RX2_P: C21.2 D4.4 D4.7 J6.A11 | length 250.1
  Top Layer w6: J6.A11@141.83,1560.04 157.76,1560.04 160.6,1562.87 244.17,1562.87 244.24,1562.95 266.69,1562.95 269.53,1560.1 277.85,1560.1 D4.4@310.73,1560.11 310.73,1560.2 318.91,1560.2 321.75,1563.04 372.91,1563.04 383.67,1552.27 C21.2@383.67,1552.18
SS_RX_N: J2.5 U8.5 | length 898.9
  Top Layer w6: U8.5@616.59,1650.79 617.44,1649.91 649.19,1649.91 699,1600.1 774.75,1600.1 826.64,1652 921.11,1652 936,1637.1 1185.31,1637.1 1230.2,1682 1269.2,1682 1317,1729.8 1317,1738.8 1335.2,1757 1362.8,1757 1377.08,1742.72 1377.08,1715.05 J2.5@1377.95,1714.17
SS_RX_P: J2.3 U8.4 | length 899.3
  Top Layer w6: U8.4@616.59,1635.04 617.45,1635.91 643.39,1635.91 693.2,1586.1 780.55,1586.1 832.44,1638 915.31,1638 930.2,1623.1 1120.77,1623.1 1126.04,1617.83 1126.04,1608.97 1127.8,1607.21 1142.28,1607.21 1144.04,1608.97 1144.04,1617.83 1149.31,1623.1 1191.1,1623.1 1236,1668 1275,1668 1331,1724 1331,1733 1341,1743 1357,1743 1363.08,1736.92 1363.08,1715.05 J2.3@1362.2,1714.17
SS_TX1_N: D2.2 D2.9 J6.A3 U8.15 | length 493.6
  Top Layer w6: J6.A3@141.83,1717.52 157.76,1717.52 160.6,1720.35 190.48,1720.35 209.76,1739.64 209.76,1772.79 221.53,1784.56 265.33,1784.56 268.17,1781.7 277.85,1781.7 D2.9@310.73,1781.72 320.65,1781.7 323.49,1784.56 440.29,1784.56 480.97,1743.86 480.97,1720.52 502.59,1698.91 535.39,1698.91 U8.15@536.27,1698.03
SS_TX1_P: D2.1 D2.10 J6.A2 U8.14 | length 493.5
  Top Layer w6: J6.A2@141.83,1737.2 157.74,1737.2 160.58,1734.35 184.68,1734.35 195.76,1745.43 195.76,1778.58 215.73,1798.56 265.09,1798.56 267.93,1801.39 277.85,1801.39 D2.10@310.73,1801.4 320.41,1801.39 323.25,1798.56 446.09,1798.56 494.97,1749.66 494.97,1726.32 508.38,1712.91 535.4,1712.91 U8.14@536.27,1713.78
SS_TX2_N: D4.2 D4.9 J6.B3 U8.19 | length 1084
  Top Layer w6: v2(-25.2,1564.83) -19.25,1558.89 0.98,1558.89 28.81,1586.72 60.07,1586.72 62.91,1589.56 J6.B3@78.84,1589.57 ; v2(249.24,1522.58) 253.93,1517.89 266.83,1517.89 269.68,1520.73 277.85,1520.73 D4.2@310.73,1520.74 318.83,1520.73 321.67,1517.89 333.34,1517.89 339.34,1523.89 v2(339.34,1524.2) ; v2(435.58,1637.02) 440.63,1642.06 453.96,1642.06 460.11,1635.91 535.4,1635.91 U8.19@536.27,1635.04
  Bottom Layer w6: v2(-25.2,1564.83) -19.7,1559.34 -5.42,1559.34 8.13,1545.79 8.13,1476.88 45.6,1439.41 152.47,1439.41 182.5,1469.44 182.5,1504.36 195.22,1517.08 208.62,1517.08 222.34,1530.8 241.02,1530.8 v2(249.24,1522.58) ; v2(339.34,1524.2) 344.86,1529.73 368.36,1529.73 379.38,1518.71 450.41,1518.71 472.58,1540.88 472.58,1558.02 467.9,1562.71 459.39,1562.71 454.7,1567.4 454.7,1574.02 459.39,1578.71 467.9,1578.71 472.58,1583.4 472.58,1590.02 467.9,1594.71 459.39,1594.71 454.7,1599.4 454.7,1606.02 459.39,1610.71 467.9,1610.71 472.58,1615.4 472.58,1631.78 461.84,1642.52 441.08,1642.52 v2(435.58,1637.02)
SS_TX2_P: D4.1 D4.10 J6.B2 U8.18 | length 1083
  Top Layer w6: v2(-25.2,1539.83) -20.15,1544.89 6.78,1544.89 34.61,1572.72 60.09,1572.72 62.93,1569.87 J6.B2@78.84,1569.88 ; v2(249.24,1497.58) 249.24,1497.89 255.24,1503.89 266.91,1503.89 269.75,1501.04 277.85,1501.04 D4.1@310.73,1501.05 318.9,1501.04 321.75,1503.89 334.65,1503.89 v2(339.34,1499.2) ; v2(435.58,1662.02) 441.53,1656.06 459.77,1656.06 465.92,1649.91 535.39,1649.91 U8.18@536.27,1650.79
  Bottom Layer w6: v2(-25.2,1539.83) -19.7,1545.34 -11.22,1545.34 -5.87,1539.99 -5.87,1471.08 39.8,1425.41 158.27,1425.41 196.5,1463.64 196.5,1498.56 201.02,1503.08 209.93,1503.08 223.22,1489.79 241.45,1489.79 v2(249.24,1497.58) ; v2(339.34,1499.2) 347.78,1490.77 362.73,1490.77 376.67,1504.71 456.21,1504.71 486.58,1535.08 486.58,1637.58 467.64,1656.52 441.08,1656.52 v2(435.58,1662.02)